# KiCad board GRAM-HITBOX.kicad_pcb
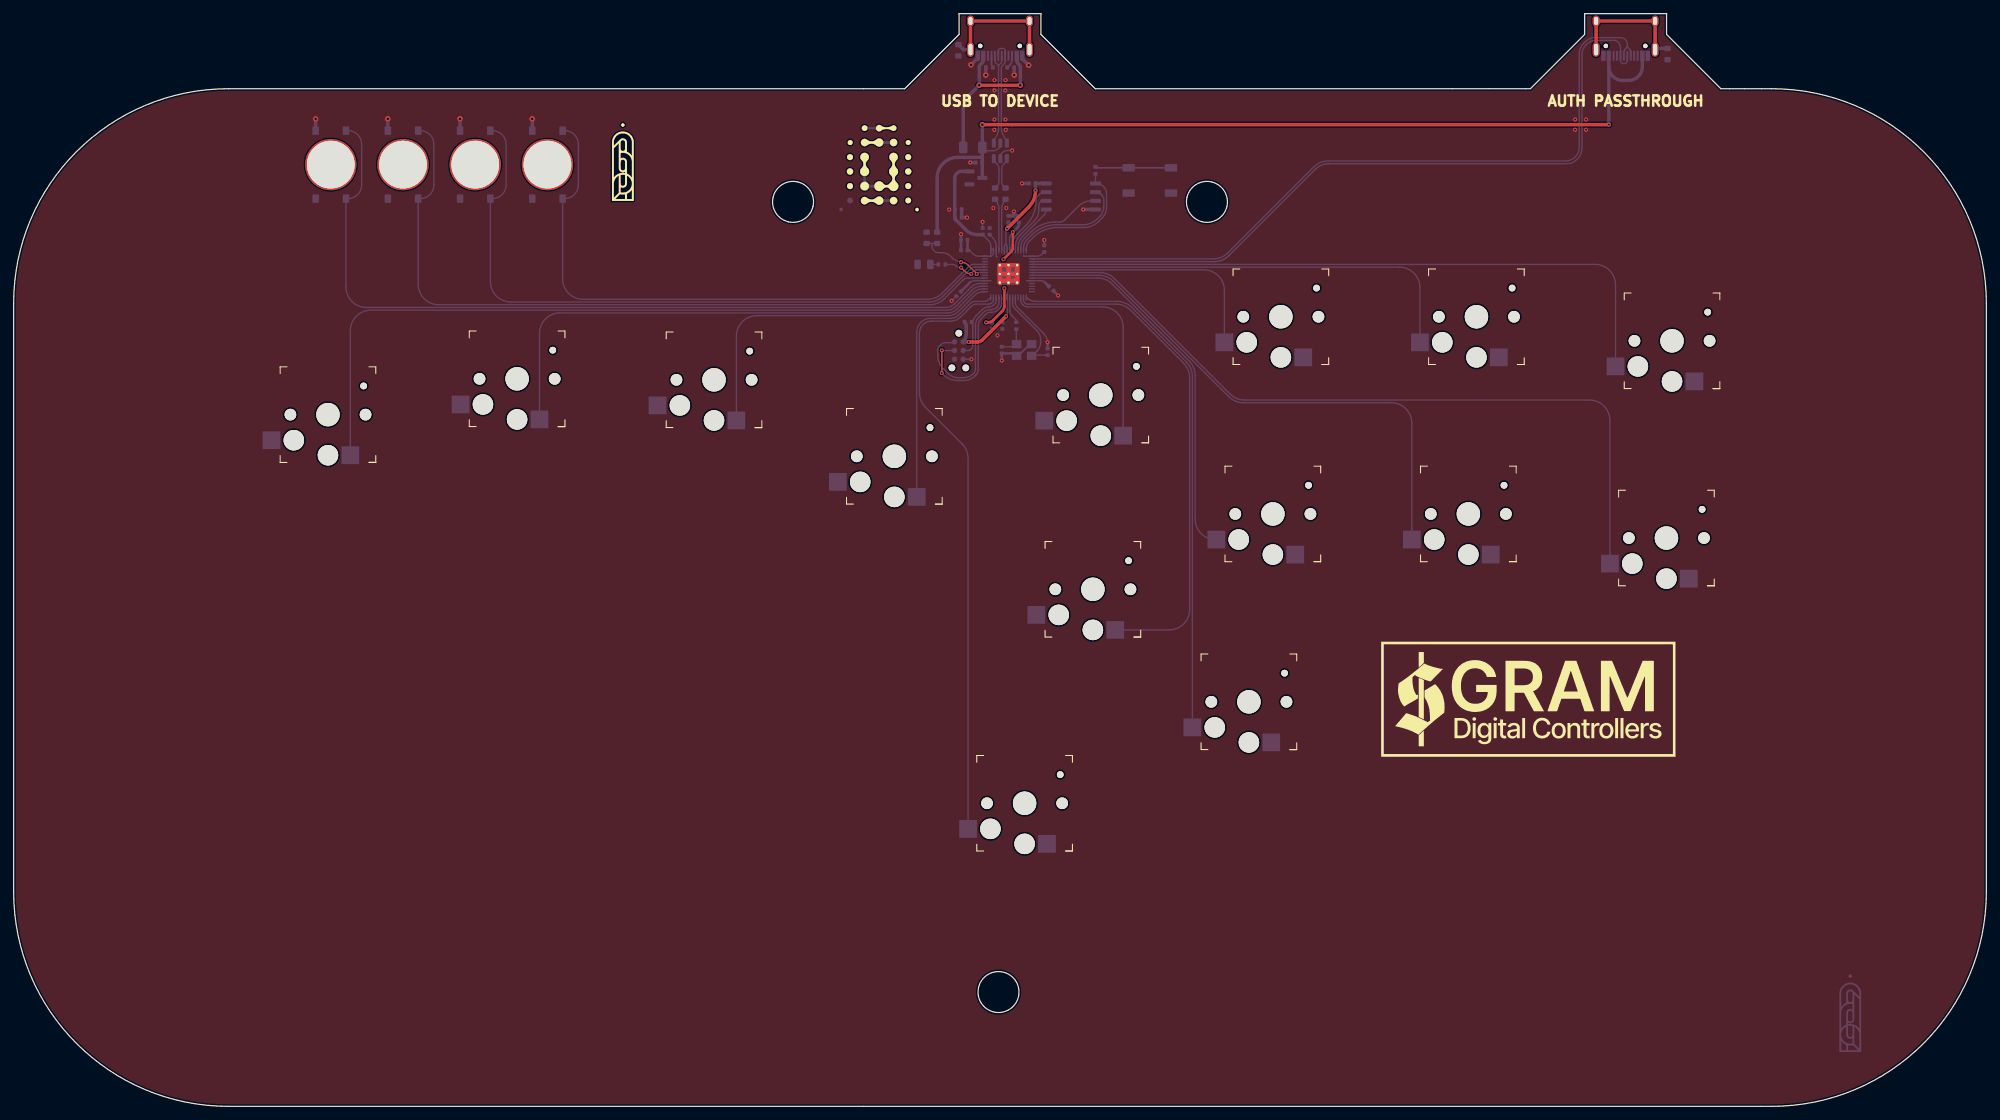
[diagram p0: board, top side]
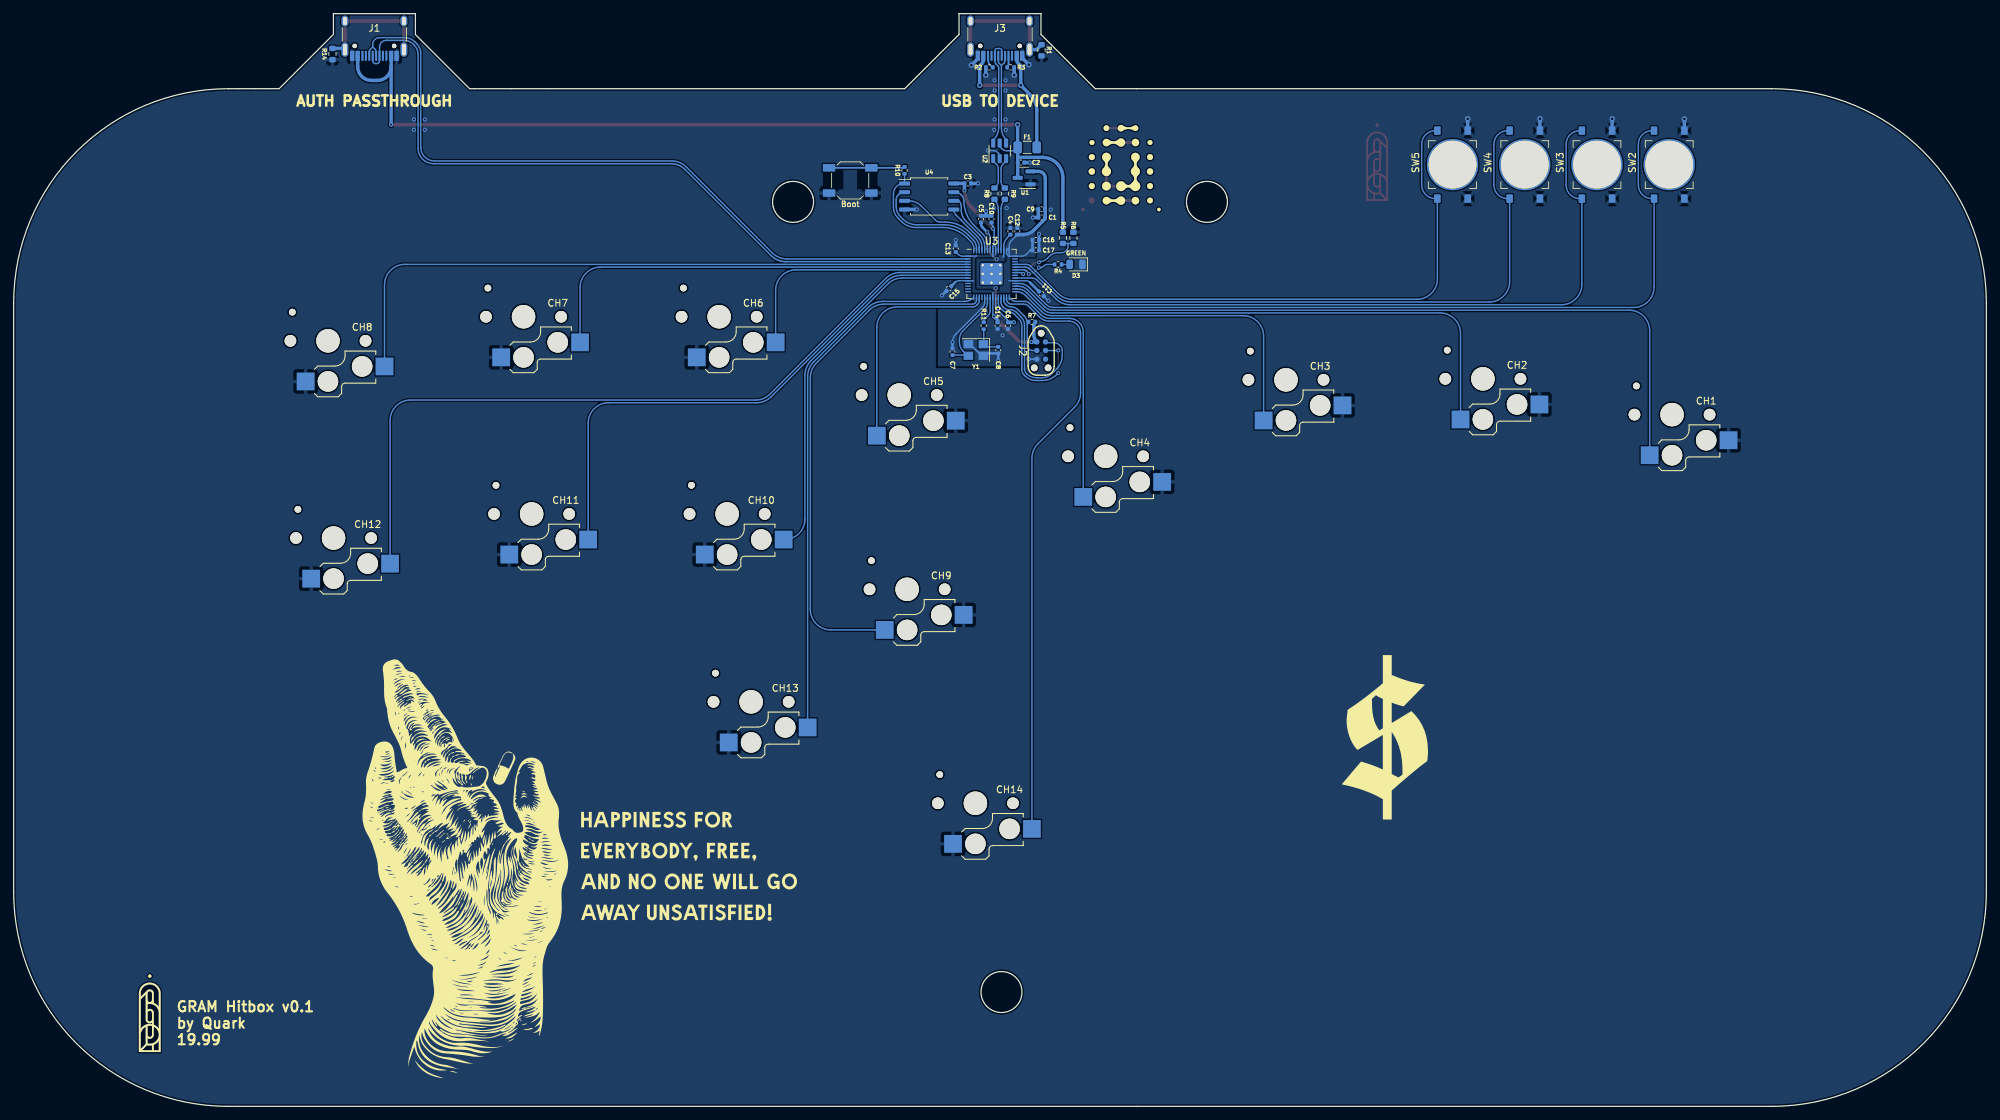
[diagram p1: board, bottom side, seen from below]

Outline 288.8 x 160.1 mm; copper layers: Top, Bottom. Coordinates in mm from the lower left corner of the outline.
Outline path: circle c144.18,16.75 r3 ; 0,117.66 0,31.44 ; 31.44,0 257.36,0 ; 31.44,149.1 130.45,149.1 138.4,157.05 138.4,160.1 150.4,160.1 150.4,157.05 158.34,149.1 222.04,149.1 229.99,157.05 229.99,160.1 241.99,160.1 241.99,157.05 249.93,149.1 257.36,149.1 ; 288.8,31.44 288.8,117.66

## Placement (name value [footprint] x y rotation side)
C1  1uF  [C_0402_1005Metric]  138.3 130.24 180 bottom
C2  1uF  [C_0402_1005Metric]  141.32 138.28 0 bottom
C3  100nF  [C_0402_1005Metric]  149.12 135.22 180 bottom
C4  1uF  [C_0402_1005Metric]  142.88 128.21 90 bottom
C5  100nF  [C_0402_1005Metric]  147.17 130 90 bottom
C6  100nF  [C_0402_1005Metric]  143.23 114.38 270 bottom
C7  22pF  [C_0402_1005Metric]  151.36 110.55 270 bottom
C8  22pF  [C_0402_1005Metric]  144.65 110.81 90 bottom
C9  10uF  [C_0402_1005Metric]  138.3 131.44 0 bottom
C10  1uF  [C_0402_1005Metric]  145.64 130 90 bottom
C11  100nF  [C_0402_1005Metric]  138.34 119.05 225 bottom
C12  100nF  [C_0402_1005Metric]  141.86 128.21 90 bottom
C13  100nF  [C_0402_1005Metric]  150.88 125.67 90 bottom
C14  100nF  [C_0402_1005Metric]  144.75 114.38 270 bottom
C15  100nF  [C_0402_1005Metric]  151.89 119.82 315 bottom
C16  100nF  [C_0402_1005Metric]  139.17 126.95 180 bottom
C17  100nF  [C_0402_1005Metric]  139.17 125.43 180 bottom
CH1  choc_SW_HS  [Kailh_socket_PG1350]  46.01 101.35 0 top
CH2  choc_SW_HS  [Kailh_socket_PG1350]  73.7 106.6 0 top
CH3  choc_SW_HS  [Kailh_socket_PG1350]  102.53 106.45 0 top
CH4  choc_SW_HS  [Kailh_socket_PG1350]  128.93 95.24 0 top
CH5  choc_SW_HS  [Kailh_socket_PG1350]  159.15 104.22 0 top
CH6  choc_SW_HS  [Kailh_socket_PG1350]  185.52 115.69 0 top
CH7  choc_SW_HS  [Kailh_socket_PG1350]  214.15 115.69 0 top
CH8  choc_SW_HS  [Kailh_socket_PG1350]  242.78 112.16 0 top
CH9  choc_SW_HS  [Kailh_socket_PG1350]  158 75.76 0 top
CH10  choc_SW_HS  [Kailh_socket_PG1350]  184.35 86.8 0 top
CH11  choc_SW_HS  [Kailh_socket_PG1350]  212.97 86.8 0 top
CH12  choc_SW_HS  [Kailh_socket_PG1350]  241.97 83.27 0 top
CH13  choc_SW_HS  [Kailh_socket_PG1350]  180.84 59.27 0 top
CH14  choc_SW_HS  [Kailh_socket_PG1350]  148 44.41 0 top
D3  GREEN  [LED_0805_2012Metric]  133.27 123.36 0 bottom
F1  500 mA  [Fuse_1206_3216Metric]  140.42 140.5 0 bottom
H1  19.99 logo  [1999 logo md]  88.97 138.4 0 top
H2  19.99 logo  [1999 logo md]  269.09 13.7 180 bottom
H3  qw-logo  [qw new logo silk + copper md]  127.25 137.47 0 top
H4  qw-logo  [qw new logo silk + copper md]  126.15 137.47 180 bottom
J1  USB_C_Receptacle_USB2.0  [USB_C_Receptacle_HRO_TYPE-C-31-M-12]  235.99 157.97 0 bottom
J2  JTAG_TC2030  [CON_TC2030_outlined]  138.37 110.74 270 bottom
J3  USB_C_Receptacle_USB2.0  [USB_C_Receptacle_HRO_TYPE-C-31-M-12]  144.4 157.97 0 bottom
R1  1M  [R_0603_1608Metric]  138.32 154.74 90 bottom
R2  5.1k  [R_0402_1005Metric]  145.96 152.23 180 bottom
R3  5.1k  [R_0402_1005Metric]  142.84 152.23 180 bottom
R4  10k  [R_0402_1005Metric]  135.89 123.35 180 bottom
R5  5.6k  [R_0603_1608Metric]  135.19 127.26 270 bottom
R6  10k  [R_0603_1608Metric]  133.65 127.26 90 bottom
R7  10k  [R_0402_1005Metric]  139.72 114.93 0 bottom
R8  27  [R_0603_1608Metric]  145.21 133.72 270 bottom
R9  27  [R_0603_1608Metric]  143.68 133.72 270 bottom
R10  1k  [R_0402_1005Metric]  158.37 137.14 270 bottom
R11  1k  [R_0402_1005Metric]  146.79 114.38 90 bottom
R14  1M  [R_0603_1608Metric]  242.13 154.18 90 bottom
SW1  Boot  [SW_SPST_SKQG_WithStem]  166.33 135.66 0 bottom
SW2  SW_Push  [RT3301AF260Q]  46.43 137.98 270 top
SW3  SW_Push  [RT3301AF260Q]  57 137.98 270 top
SW4  SW_Push  [RT3301AF260Q]  67.57 137.98 270 top
SW5  SW_Push  [RT3301AF260Q]  78.15 137.98 270 top
U1  XC6206  [SOT-23]  140.87 136.04 0 bottom
U2  USBLC6-2SC6  [SOT-23-6]  144.45 140 90 bottom
U3  RP2040  [RP2040-QFN-56]  145.64 121.97 180 bottom
U4  W25Q128JVS  [SOIC-8_5.23x5.23mm_P1.27mm]  154.77 133.31 180 bottom
Y1  12MHz  [Crystal_SMD_3225-4Pin_3.2x2.5mm]  147.93 110.82 0 bottom

## Library data of the parts
C1 C2 C4 C10 = -: Description: Unpolarized capacitor, small symbol; LCSC: C52923
C3 C5 C6 C11-C17 = -: Description: Unpolarized capacitor, small symbol; LCSC: C1525
C7 C8 = -: Description: Unpolarized capacitor, small symbol; LCSC: C1555
C9 = -: Description: Unpolarized capacitor, small symbol; LCSC: C15525
CH1-CH14 = -: Description: Push button switch, normally open, two pins, 45° tilted
D3 = -: Description: Light emitting diode, small symbol; LCSC: C2297
F1 = -: Description: Fuse, small symbol; LCSC: C70076
H1-H4 = -: Description: Mounting Hole without connection
J1 J3 = -: Description: USB 2.0-only Type-C Receptacle connector
J2 = -: Description: 6-pin TC2030 connector for JTAG programming
R1 R14 = -: Description: Resistor, small symbol; LCSC: C22935
R2-R4 R7 = -: Description: Resistor, small symbol; LCSC: C25744
R5 = -: Description: Resistor, small symbol; LCSC: C23189
R6 = -: Description: Resistor, small symbol; LCSC: C25804
R8 R9 = -: Description: Resistor, small symbol; LCSC: C25190
R10 R11 = -: Description: Resistor, small symbol; LCSC: C11702
SW1 = -: Description: Push button switch, generic, two pins; LCSC: C318884
SW2-SW5 = -: Description: Push button switch, generic, two pins
U1 = -: Description: Positive 60-250mA Low Dropout Regulator, Fixed Output, SOT-23; LCSC: C5446
U2 = -: Description: Very low capacitance ESD protection diode, 2 data-line, SOT-23-6; LCSC: C7519
U3 = -: LCSC: C2040
U4 = -: Description: 128Mb Serial Flash Memory, Standard/Dual/Quad SPI, SOIC-8; LCSC: C97521
Y1 = -: Description: Four pin crystal, GND on pins 2 and 4, small symbol; LCSC: C9002

## Footprints (pads in the part's own frame, mm; a bottom-side part is the same pattern mirrored in y, then rotated)
C_0402_1005Metric
  rrect 0.56x0.62 smd: 1(-0.48,0) 2(0.48,0)
CON_TC2030_outlined
  round 0.991 hole 0.991 unplated: (-2.54,0) (2.54,-1.016) (2.54,1.016)
  round 0.787 smd: 1(-1.27,-0.635) 2(-1.27,0.635) 3(0,-0.635) 4(0,0.635) 5(1.27,-0.635) 6(1.27,0.635)
Crystal_SMD_3225-4Pin_3.2x2.5mm
  rect 1.4x1.2 smd: 1(-1.1,-0.85) 2(1.1,-0.85) 3(1.1,0.85) 4(-1.1,0.85)
Fuse_1206_3216Metric
  rrect 1.25x1.75 smd: 1(-1.4,0) 2(1.4,0)
Kailh_socket_PG1350
  round 1.702 hole 1.702 unplated: (-5.5,0) (5.5,0)
  round 3 hole 3 unplated: (-5,-3.75) (0,-5.95)
  round 3.429 hole 3.429 unplated: (0,0)
  round 0.991 hole 0.991 unplated: (5.22,4.2)
  rect 2.6x2.6 smd far side: 1(3.275,-5.95) 2(-8.275,-3.75)
LED_0805_2012Metric
  rrect 0.975x1.4 smd: 1(-0.938,0) 2(0.938,0)
R_0402_1005Metric
  rrect 0.54x0.64 smd: 1(-0.51,0) 2(0.51,0)
R_0603_1608Metric
  rrect 0.8x0.95 smd: 1(-0.825,0) 2(0.825,0)
RP2040-QFN-56
  rrect 1.084x1.084 smd: (-0.637,-0.637) (-0.637,0.637) (0.637,-0.637) (0.637,0.637)
  rrect 0.875x0.2 smd: 1(-3.438,2.6) 2(-3.438,2.2) 3(-3.438,1.8) 4(-3.438,1.4) 5(-3.438,1) 6(-3.438,0.6) 7(-3.438,0.2) 8(-3.438,-0.2) 9(-3.438,-0.6) 10(-3.438,-1) 11(-3.438,-1.4) 12(-3.438,-1.8) 13(-3.438,-2.2) 14(-3.438,-2.6) 29(3.438,-2.6) 30(3.438,-2.2) 31(3.438,-1.8) 32(3.438,-1.4) 33(3.438,-1) 34(3.438,-0.6) 35(3.438,-0.2) 36(3.438,0.2) 37(3.438,0.6) 38(3.438,1) 39(3.438,1.4) 40(3.438,1.8) 41(3.438,2.2) 42(3.438,2.6)
  rrect 0.2x0.875 smd: 15(-2.6,-3.438) 16(-2.2,-3.438) 17(-1.8,-3.438) 18(-1.4,-3.438) 19(-1,-3.438) 20(-0.6,-3.438) 21(-0.2,-3.438) 22(0.2,-3.438) 23(0.6,-3.438) 24(1,-3.438) 25(1.4,-3.438) 26(1.8,-3.438) 27(2.2,-3.438) 28(2.6,-3.438) 43(2.6,3.438) 44(2.2,3.438) 45(1.8,3.438) 46(1.4,3.438) 47(1,3.438) 48(0.6,3.438) 49(0.2,3.438) 50(-0.2,3.438) 51(-0.6,3.438) 52(-1,3.438) 53(-1.4,3.438) 54(-1.8,3.438) 55(-2.2,3.438) 56(-2.6,3.438)
  round 0.6 hole 0.35: 57(-1.275,-1.275) 57(-1.275,0) 57(-1.275,1.275) 57(0,-1.275) 57(0,0) 57(0,1.275) 57(1.275,-1.275) 57(1.275,0) 57(1.275,1.275)
  rrect 3.2x3.2 smd: 57(0,0)
RT3301AF260Q
  round 7.5 hole 7 unplated: (0,0)
  rrect 1.243x0.962 smd far side: 1(-4.979,-2.219) 1(4.979,-2.219) 2(-4.979,2.219) 2(4.979,2.219)
SOIC-8_5.23x5.23mm_P1.27mm
  rrect 1.6x0.6 smd: 1(-3.6,1.905) 2(-3.6,0.635) 3(-3.6,-0.635) 4(-3.6,-1.905) 5(3.6,-1.905) 6(3.6,-0.635) 7(3.6,0.635) 8(3.6,1.905)
SOT-23
  rrect 1.475x0.6 smd: 1(-0.938,0.95) 2(-0.938,-0.95) 3(0.938,0)
SOT-23-6
  rrect 1.325x0.6 smd: 1(-1.137,0.95) 2(-1.137,0) 3(-1.137,-0.95) 4(1.137,-0.95) 5(1.137,0) 6(1.137,0.95)
SW_SPST_SKQG_WithStem
  rect 1.8x1.1 smd: 1(-3.1,1.85) 1(3.1,1.85) 2(-3.1,-1.85) 2(3.1,-1.85)
USB_C_Receptacle_HRO_TYPE-C-31-M-12
  round 0.65 hole 0.65 unplated: (-2.89,2.6) (2.89,2.6)
  rect 0.6x1.45 smd: A1(-3.25,4.045) A4(-2.45,4.045) A9(2.45,4.045) A12(3.25,4.045) B1(3.25,4.045) B4(2.45,4.045) B9(-2.45,4.045) B12(-3.25,4.045)
  rect 0.3x1.45 smd: A5(-1.25,4.045) A6(-0.25,4.045) A7(0.25,4.045) A8(1.25,4.045) B5(1.75,4.045) B6(0.75,4.045) B7(-0.75,4.045) B8(-1.75,4.045)
  oval 1x1.6 hole 0.6x1.2: S1(-4.32,-1.05) S1(4.32,-1.05)
  oval 1x2.1 hole 0.6x1.7: S1(-4.32,3.13) S1(4.32,3.13)

## Nets
+1V1: C4.1 C5.1 C6.1 U3.23 U3.45 U3.50
+3V3: C1.2 C3.1 C9.1 C10.1 C11.1 C12.1 C13.1 C14.1 C15.1 C16.1 C17.1 J2.1 R7.1 U1.2 U3.1 U3.10 U3.22 U3.33 U3.42 U3.43 U3.44 U3.48 U3.49 U4.8
+5V: C2.2 F1.2 J1.A4 J1.A9 J1.B4 J1.B9 R5.1 U1.3 U2.5
GND: C1.1 C2.1 C3.2 C4.2 C5.2 C6.2 C7.1 C8.1 C9.2 C10.2 C11.2 C12.2 C13.2 C14.2 C15.2 C16.2 C17.2 CH1.2 CH2.2 CH3.2 CH4.2 CH5.2 CH6.1 CH7.1 CH8.1 CH9.2 CH10.1 CH11.1 CH12.1 CH13.1 CH14.1 D3.1 J1.A1 J1.A12 J1.B1 J1.B12 J2.5 J3.A1 J3.A12 J3.B1 J3.B12 R1.1 R2.1 R3.2 R6.2 R14.1 SW1.1 SW2.1 SW3.1 SW4.1 SW5.1 U1.1 U2.2 U3.19 U3.57 U4.4 Y1.2 Y1.4
VBUS_SENSE: R5.2 R6.1 U3.36
1K: CH9.1 U3.16
1P: CH5.1 U3.17
2K: CH10.2 U3.9
2P: CH6.2 U3.6
3K: CH11.2 U3.8
3P: CH7.2 U3.5
4K: CH12.2 U3.7
4P: CH8.2 U3.4
/D_+: R8.2 U3.47
/D_-: R9.2 U3.46
/XTAL_O: C8.2 R11.1 Y1.1
/~{USB_BOOT}: R10.1 SW1.2
CAPTURE: SW5.2 U3.39
CS: R10.2 U3.56 U4.1
D+: R8.1 U2.1
D-: R9.1 U2.3
DBUS+: J3.A6 J3.B6 U2.6
DBUS-: J3.A7 J3.B7 U2.4
DOWN: CH3.1 U3.29
HOME: SW4.2 U3.38
L3: CH1.1 U3.31
LEFT: CH2.1 U3.30
PICO_LED: R4.1 U3.37
PT+: J1.A6 J1.B6 U3.2
PT-: J1.A7 J1.B7 U3.3
QSPI_CLK: U3.52 U4.6
R3: CH13.2 U3.15
RIGHT: CH4.1 U3.28
SD0: U3.53 U4.5
SD1: U3.55 U4.2
SD2: U3.54 U4.3
SD3: U3.51 U4.7
SELECT: SW3.2 U3.34
START: SW2.2 U3.32
SWCLK: J2.4 U3.24
SWD: J2.2 U3.25
UP: CH14.2 U3.27
XTAL_IN: C7.2 U3.20 Y1.3
XTAL_OUT: R11.2 U3.21
~{RESET}: J2.3 R7.2 U3.26
Net-(D3-A): D3.2 R4.2
Net-(F1-Pad1): F1.1 J3.A4 J3.A9 J3.B4 J3.B9
Net-(J1-SHIELD): J1.S1 R14.2
Net-(J3-CC1): J3.A5 R3.1
Net-(J3-CC2): J3.B5 R2.2
Net-(J3-SHIELD): J3.S1 R1.2

Pads without a net: J1 A5 A8 B5 B8; J2 6; J3 A8 B8; U3 11 12 13 14 18 35 40 41

## Via types
v1: diameter 0.6, hole 0.3, Top to Bottom, 43 vias
v2: diameter 0.8, hole 0.4, Top to Bottom, 11 vias
v3: diameter 0.6, hole 0.35, Top to Bottom, 2 vias

## Routing (per net, layer and track width the routed paths; a pad name or vN(x,y) marks a point on that pad's centre or on a via; arc(x,y) is an arc through that point)
+1V1: length 24.2
  Top w0.381: v1(142.37,114.87) 142.67,114.87 arc(143.06,114.95) 143.38,115.16 144.74,116.53 arc(144.96,116.85) 145.04,117.24 v3(145.04,119.87) ; v3(144.91,124.11) 145.98,125.18 arc(146.2,125.51) 146.28,125.89 v1(146.28,128.1)
  Bottom w0.2: C4.1 143.33,127.27 arc(143.71,126.71) 143.84,126.04 U3.45 143.84,124.56 143.99,124.41 ; U3.23 145.04,117.38 arc(144.97,117) 144.75,116.67 143.41,115.33 arc(143.28,115.14) 143.23,114.91 C6.1 ; U3.50 145.84,127.25 arc(145.92,127.63) 146.14,127.95 v1(146.28,128.1)
  Bottom w0.381: v1(146.28,128.1) 147,128.81 arc(147.12,129) 147.17,129.23
  Bottom w0.5: v1(142.37,114.87) 142.38,114.86 C6.1
+3V3: length 67.8
  Top w0.5: v1(139.81,111.99) 141.11,111.99 arc(141.49,112.07) 141.81,112.29 v1(145.29,115.76) ; v1(145.42,128.59) 148.6,131.77 arc(149.34,132.88) v1(149.6,134.19)
  Bottom w0.2: 147.83,124.65 147.91,124.57 U3.1 149.84,124.57 arc(150.23,124.64) 150.55,124.86 C13.1 ; 143.08,120.97 U3.33 140.62,120.97 arc(140.28,120.9) 140,120.71 ; C12.1 142.75,126.84 arc(142.97,126.51) 143.04,126.13 U3.43 143.04,124.61 142.98,124.54 ; 145.04,124.81 U3.48 145.04,125.93 arc(145.07,126.09) 145.16,126.22 145.26,126.32 ; 145.26,126.32 145.26,126.32 145.26,128.44 v1(145.42,128.59) 145.42,129 145.64,129.23 ; 145.26,126.32 145.33,126.25 arc(145.41,126.12) 145.44,125.97 U3.49 145.44,124.55 145.42,124.52 ; 139.94,125.43 140.51,124.86 arc(140.83,124.64) 141.22,124.57 U3.42 143.07,124.57 143.1,124.54 143.44,124.88 U3.44 143.04,125.81 ; 145.44,119.26 U3.22 145.44,115.91 v1(145.29,115.76) ; 148.31,120.98 148.33,120.97 U3.10 150.44,120.97 arc(150.7,120.92) 150.92,120.77
  Bottom w0.381: 150.92,120.77 151.51,120.18 ; 140,120.71 C11.1 ; 139.94,125.43 C17.1 C16.1
  Bottom w0.5: C12.1 141.03,127.73 arc(140.17,127.9) 139.44,128.39 137.82,130 C1.2 137.77,130.29 137.77,135.99 arc(138.07,136.7) 138.77,136.99 U1.2 ; v1(149.6,134.19) C3.1 151.15,135.22 ; C14.1 144.75,115.22 v1(145.29,115.76) ; v1(139.81,111.99) 139.03,111.99 ; J2.1 arc(139.34,112.52) 139.46,113.11 139.46,114.33 arc(139.4,114.66) R7.1
+5V: length 138.1
  Top w0.5: v2(141.82,143.84) v1(233.54,143.84)
  Bottom w0.2: U2.5 144.45,140.62 144.14,140.31 arc(143.82,140.09) 143.43,140.02 142.3,140.02 F1.2
  Bottom w0.5: U1.3 141.8,136.05 C2.2 141.8,140.48 F1.2 v2(141.82,143.84) ; J1.A4 233.54,152.32 ; 233.54,152.32 233.54,143.84 v1(233.54,143.84) ; 233.54,152.32 arc(234.12,150.9) 235.54,150.32 236.44,150.32 arc(237.85,150.9) 238.44,152.32 J1.A9 ; R5.1 135.19,136.04 arc(136.07,138.16) 138.19,139.04 141.71,139.04
GND: length 60.2
  Top w0.635: U3.57 U3.57 ; U3.57 U3.57 ; U3.57 U3.57 U3.57 U3.57 146.62,120.99 144.67,120.99 U3.57
  Bottom w0.2: C12.2 v1(141.86,129.6) ; v1(137.32,118.03) C11.2 ; v1(146.17,140.04) 145.45,140.04 arc(145.06,139.97) 144.74,139.75 144.45,139.46 U2.2 ; U3.19 146.64,117.81 arc(146.72,117.41) 146.95,117.07 150.86,113.16 arc(151.23,112.6) v1(151.36,111.95)
  Bottom w0.25: J2.5 v1(140.21,109.47)
  Bottom w0.254: 147.08,109.97 148.78,111.67
  Bottom w0.381: v1(144.65,109.28) C8.1 146.47,110.33 ; C13.2 v1(150.88,126.94) ; v1(138.69,127.79) C16.2 C17.2 ; v1(151.36,111.95) C7.1 ; C15.2 v1(152.91,118.81)
  Bottom w0.5: 146.45,130.48 146.45,131.11 v1(146.43,131.13) ; 146.45,130.48 C5.2 ; 146.45,130.48 C10.2 ; v2(148.59,152.55) 147.65,153.49 J3.A12 ; v2(146.48,151.11) 146.47,151.12 R2.1 ; v2(54.77,144.69) 54.78,144.68 SW3.1 ; SW2.1 v2(44.21,144.67) ; v1(140.05,138.29) 140.06,138.28 C2.1 ; R3.2 142.33,151.11 v2(142.32,151.11) ; SW5.1 v2(75.93,144.69) ; J3.A1 141.15,153.6 v2(140.17,152.63) ; v2(65.34,144.7) 65.35,144.68 SW4.1 ; C3.2 147.63,135.22 ; v1(139.57,130.23) 139.56,130.24 C1.1 C9.2 ; 158.34,131.41 156.61,131.41
  vias: v1(136.96,131.39) v1(143.42,131.62) v1(143.59,150.35) v1(143.59,148.86) v1(143.59,144.59) v1(143.56,143.08) v1(144.02,112.97) v1(145.19,150.35) v1(145.19,148.86) v1(145.19,144.59) v1(145.25,143.08) v1(145.32,131.62) v1(147.62,135.23) v1(156.6,131.4) v1(228.6,144.59) v1(228.6,143.09) v1(230.2,144.59) v1(230.2,143.09)
VBUS_SENSE: length 11.3
  Top w0.2: v1(141,121.97) 141,122 139.74,123.25 arc(139.26,123.57) 138.7,123.68
  Bottom w0.2: R6.1 134.43,126.43 ; 134.43,126.43 134.43,126.07 arc(134.73,125.37) 135.43,125.07 135.9,125.07 arc(136.59,124.94) 137.17,124.55 137.42,124.3 arc(138,123.9) 138.69,123.77 ; 134.43,126.43 R5.2 ; U3.36 141.48,122.17 arc(141.22,122.12) v1(141,121.97)
  vias: v1(138.7,123.68)
1K: length 76.5
  Bottom w0.2: CH9.1 169.16,69.81 arc(171.28,70.69) 172.16,72.81 172.16,106.77 arc(171.93,107.92) 171.28,108.89 163.52,116.66 arc(162.54,117.31) 161.39,117.54 148.42,117.54 arc(148.23,117.58) 148.06,117.69 ; U3.16 147.84,118.09 arc(147.88,117.92) 147.98,117.77 148.02,117.73
1P: length 33.5
  Bottom w0.2: CH5.1 162.43,114.14 arc(161.55,116.26) 159.43,117.14 148.38,117.14 arc(148.07,117.2) 147.81,117.37 147.66,117.53 arc(147.5,117.77) 147.44,118.05 U3.17
2K: length 56.1
  Bottom w0.2: CH10.2 175.96,83.05 arc(173.84,83.93) 172.96,86.05 172.96,107.1 arc(172.73,108.25) 172.08,109.22 160.82,120.49 arc(159.85,121.14) 158.7,121.37 U3.9
2P: length 37.5
  Bottom w0.2: U3.6 174.24,122.57 arc(176.37,121.69) 177.24,119.57 CH6.2
3K: length 81.8
  Bottom w0.2: U3.8 158.86,121.77 arc(160.01,121.54) 160.98,120.89 177.91,103.97 arc(178.88,103.32) 180.03,103.09 201.69,103.09 arc(203.81,102.21) 204.69,100.09 CH11.2
3P: length 66.5
  Bottom w0.2: CH7.2 205.88,119.97 arc(205,122.09) 202.88,122.97 U3.5
4K: length 114.8
  Bottom w0.2: CH12.2 233.69,100.49 arc(232.81,102.61) 230.69,103.49 180.19,103.49 arc(179.04,103.72) 178.07,104.37 161.15,121.29 arc(160.18,121.94) 159.03,122.17 U3.7
4P: length 99.1
  Bottom w0.2: CH8.2 234.51,120.37 arc(233.63,122.49) 231.51,123.37 U3.4
/D_+: length 7.7
  Bottom w0.2: 145.19,132.95 145.19,132.76 145.17,132.74 arc(144.78,132.15) 144.64,131.47 U3.47
/D_-: length 7.5
  Bottom w0.2: U3.46 144.24,131.51 arc(144.11,132.2) 143.72,132.78
/XTAL_O: length 3.9
  Bottom w0.2: 146.79,111.72 R11.1 ; C8.2 146.44,111.29
/~{USB_BOOT}: length 11.1
  Bottom w0.25: R10.1 158.51,137.51 SW1.2 SW1.2
CAPTURE: length 90.1
  Bottom w0.2: SW5.2 80.67,142.96 arc(82.08,142.37) 82.67,140.96 82.67,135 arc(82.08,133.59) 80.67,133 SW5.2 80.36,121.25 arc(81.24,119.13) 83.36,118.25 133.79,118.25 arc(134.94,118.48) 135.91,119.13 139.86,123.07 arc(140.18,123.29) 140.57,123.37 U3.39
CS: length 20.8
  Bottom w0.2: R10.2 U4.1 158.48,135.22 arc(159.56,134.77) 160,133.69 160,131.69 arc(159.84,130.89) 159.39,130.22 158.82,129.65 arc(157.85,129) 156.7,128.77 156.15,128.77 153.16,128.77 152.78,128.77 arc(150.87,128.39) 149.24,127.3 148.68,126.74 arc(148.36,126.26) 148.24,125.68 U3.56
D+: length 4.8
  Bottom w0.2: R8.1 144.94,134.82 arc(144.72,135.14) 144.65,135.53 144.65,137.35 arc(144.72,137.73) 144.94,138.06 145.4,138.51 U2.1
D-: length 4.9
  Bottom w0.2: U2.3 143.5,138.51 143.95,138.05 arc(144.17,137.73) 144.25,137.35 144.25,135.53 arc(144.17,135.14) 143.95,134.82 R9.1 143.81,134.55
DBUS+: length 16.1
  Bottom w0.2: U2.6 145.4,141.53 arc(144.8,142.42) 144.59,143.48 144.59,152.13 arc(144.63,152.32) 144.74,152.48 145,152.75 arc(145.11,152.91) 145.15,153.1 J3.B6 145.15,154.7 arc(145.06,154.91) 144.85,155 144.45,155 arc(144.24,154.91) 144.15,154.7 J3.A6
DBUS-: length 15.1
  Bottom w0.2: J3.B7 143.65,153.25 arc(143.69,153.06) 143.8,152.89 144.19,152.5 ; J3.A7 144.65,153.17 arc(144.61,152.98) 144.5,152.81 144.19,152.5 ; 144.19,152.5 144.19,143.32 arc(144.01,142.42) 143.5,141.65 U2.4 143.5,141.49
DOWN: length 51.7
  Bottom w0.2: U3.29 142.01,119.37 arc(141.28,119.22) 140.66,118.81 138.31,116.46 arc(137.63,116.01) 136.83,115.85 108.81,115.85 arc(106.69,114.97) 105.81,112.85 CH3.1
HOME: length 101.1
  Bottom w0.2: U3.38 140.73,122.97 arc(140.35,122.89) 140.02,122.67 136.08,118.73 arc(135.11,118.08) 133.96,117.85 72.79,117.85 arc(70.67,118.73) 69.79,120.85 SW4.2 70.09,133 arc(71.51,133.59) 72.09,135 72.09,140.96 arc(71.51,142.37) 70.09,142.96 SW4.2
L3: length 114.2
  Bottom w0.2: CH1.1 49.29,113.65 arc(50.17,115.77) 52.29,116.65 136.6,116.65 arc(137.31,116.79) 137.91,117.19 140.3,119.58 arc(140.95,120.02) 141.71,120.17 U3.31
LEFT: length 80.8
  Bottom w0.2: U3.30 141.83,119.77 arc(141.11,119.62) 140.5,119.22 138.09,116.81 arc(137.47,116.4) 136.75,116.25 79.98,116.25 arc(77.86,115.37) 76.98,113.25 CH2.1
PICO_LED: length 6.5
  Top w0.2: v1(138.7,122.88) 138.7,122.88 139.3,122.29 arc(139.71,122.05) v1(140.18,121.97)
  Bottom w0.2: 140.18,121.98 140.18,122.06 140.55,122.43 arc(140.7,122.53) 140.89,122.57 U3.37 ; v1(138.7,122.88) 138.7,122.89 138.38,122.89 arc(138.2,122.95) 138.04,123.06 137.92,123.18 arc(137.73,123.31) 137.5,123.35 R4.1
PT+: length 112.9
  Bottom w0.2: 236.24,155.23 235.85,154.84 arc(235.77,154.71) 235.74,154.56 J1.A6 ; 236.24,155.23 236.62,154.85 arc(236.71,154.72) 236.74,154.56 J1.B6 ; 236.24,155.23 236.24,155.59 arc(235.94,156.3) 235.24,156.59 231.51,156.59 arc(230.74,156.44) 230.09,156 229.78,155.69 arc(229.35,155.05) 229.2,154.28 229.2,140.52 arc(228.61,139.1) 227.2,138.52 192.44,138.52 arc(191.3,138.29) 190.32,137.64 177.73,125.05 arc(176.76,124.4) 175.61,124.17 U3.2
PT-: length 112.8
  Bottom w0.2: U3.3 175.77,123.77 175.94,123.77 176.28,123.81 176.6,123.88 176.92,123.99 177.23,124.14 177.51,124.32 177.77,124.53 177.89,124.65 190.49,137.24 190.61,137.36 190.87,137.57 191.16,137.75 191.46,137.89 191.78,138 192.11,138.08 192.44,138.12 192.61,138.12 227.33,138.12 arc(228.93,138.78) 229.6,140.38 229.6,154.11 arc(229.75,154.88) 230.18,155.53 230.26,155.6 arc(230.91,156.04) 231.67,156.19 234.24,156.19 arc(234.94,155.9) 235.24,155.19 J1.B7 235.24,153.19 arc(235.35,152.91) 235.64,152.79 235.84,152.79 arc(236.12,152.91) 236.24,153.19 J1.A7
QSPI_CLK: length 9.3
  Bottom w0.2: U3.52 146.64,125.97 arc(146.82,126.89) 147.34,127.66 149.41,129.73 arc(149.9,130.46) 150.07,131.33 150.07,131.84 arc(150.16,132.3) 150.42,132.68 U4.6
R3: length 80.9
  Bottom w0.2: CH13.2 172.56,106.94 arc(172.33,108.08) 171.68,109.06 163.68,117.06 arc(162.71,117.71) 161.56,117.94 149.67,117.94 149.54,117.94 149.28,117.98 149.02,118.04 148.78,118.14 148.55,118.28 148.34,118.44 U3.15
RIGHT: length 37.2
  Bottom w0.2: U3.28 142.74,118.23 arc(142.42,118.01) 142.04,117.94 140.77,117.94 arc(140.39,117.86) 140.06,117.65 138.37,115.96 arc(137.81,115.58) 137.15,115.45 134.21,115.45 arc(132.79,114.86) 132.21,113.45 CH4.1
SD0: length 7.6
  Bottom w0.2: U3.53 147.04,125.88 arc(147.21,126.73) 147.69,127.45 150.12,129.88 150.12,129.88 150.83,130.59 arc(151.08,130.96) U4.5
SD1: length 17.9
  Bottom w0.2: U3.55 147.84,125.8 arc(147.97,126.42) 148.32,126.94 149.08,127.7 arc(150.7,128.79) 152.61,129.17 156.53,129.17 arc(157.68,129.4) 158.66,130.05 159,130.39 arc(159.45,131.06) 159.6,131.84 159.6,132.82 arc(159.53,133.2) 159.31,133.53 159.18,133.65 arc(158.86,133.87) 158.47,133.95 U4.2
SD2: length 14.2
  Bottom w0.2: U4.3 157.74,132.68 arc(156.76,132.48) 155.93,131.93 153.86,129.86 arc(153.54,129.64) 153.15,129.57 152.45,129.57 arc(150.53,129.19) 148.91,128.1 147.99,127.18 arc(147.59,126.57) 147.44,125.86 U3.54
SD3: length 10.6
  Bottom w0.2: U4.7 150.97,133.95 arc(150.52,133.86) 150.13,133.6 150.04,133.51 arc(149.77,133.1) 149.67,132.63 arc(149.29,130.72) 148.21,129.09 146.84,127.73 arc(146.4,127.06) 146.24,126.28 U3.51
SELECT: length 111.5
  Bottom w0.2: U3.34 139.7,121.37 arc(139.31,121.29) 138.99,121.07 136.24,118.33 arc(135.27,117.68) 134.12,117.45 62.22,117.45 arc(60.1,118.33) 59.22,120.45 SW3.2 59.52,133 arc(60.93,133.59) 61.52,135 61.52,140.96 arc(60.93,142.37) 59.52,142.96 SW3.2
START: length 122.4
  Bottom w0.2: SW2.2 48.95,142.96 arc(50.36,142.37) 50.95,140.96 50.95,135 arc(50.36,133.59) 48.95,133 SW2.2 48.65,120.05 arc(49.52,117.93) 51.65,117.05 136.53,117.05 arc(137.15,117.17) 137.68,117.53 140.13,119.98 arc(140.78,120.42) 141.55,120.57 U3.32
SWCLK: length 24.1
  Top w0.2: v1(135.88,107.44) 135.88,107.44 v1(135.88,110.77)
  Bottom w0.2: J2.4 135.91,110.74 v1(135.88,110.77) ; v1(135.88,107.44) 136.09,107.23 arc(137.06,106.58) 138.21,106.35 139.15,106.35 arc(140,106.52) 140.72,107 140.88,107.17 arc(141.12,107.53) 141.21,107.95 141.21,114.33 arc(141.33,114.93) 141.67,115.44 142.25,116.02 arc(142.6,116.26) 143.02,116.34 143.15,116.34 arc(143.71,116.45) 144.18,116.77 144.35,116.94 arc(144.57,117.26) 144.64,117.64 U3.24
SWD: length 24.2
  Bottom w0.2: 137.76,111.88 136.43,111.88 arc(136.04,111.81) 135.72,111.59 135.53,111.4 arc(135.35,111.13) 135.28,110.8 135.28,110.03 arc(135.49,108.97) 136.1,108.07 136.78,107.39 arc(137.48,106.92) 138.31,106.75 139.06,106.75 arc(139.84,106.91) 140.5,107.35 140.52,107.37 arc(140.73,107.69) 140.81,108.07 140.81,114.44 arc(140.94,115.09) 141.31,115.65 141.98,116.32 arc(142.45,116.63) 143,116.74 143.12,116.74 arc(143.55,116.83) 143.92,117.07 143.95,117.1 arc(144.17,117.43) 144.24,117.81 U3.25
UP: length 88.8
  Bottom w0.2: CH14.2 139.72,94.95 arc(139.5,96.1) 138.85,97.07 133.49,102.43 arc(132.84,103.4) 132.61,104.55 132.61,113.31 arc(133.12,114.54) 134.35,115.05 134.35,115.05 137.17,115.05 arc(137.96,115.21) 138.63,115.65 140.23,117.25 arc(140.55,117.46) 140.93,117.54 142.72,117.54 arc(142.96,117.59) 143.17,117.73 143.34,117.9 arc(143.42,118.01) 143.44,118.14 U3.27
XTAL_IN: length 12.8
  Bottom w0.2: 149.11,109.97 149.83,110.69 arc(150.21,111.26) 150.34,111.93 150.34,112.41 arc(150.21,113.06) 149.84,113.61 146.54,116.91 arc(146.32,117.24) 146.24,117.62 U3.20 ; C7.2 149.13,110.07
XTAL_OUT: length 4
  Bottom w0.2: U3.21 145.84,116.56 arc(145.92,116.18) 146.14,115.85 146.7,115.29 arc(146.76,115.2) 146.79,115.08 R11.2
~{RESET}: length 10.7
  Bottom w0.2: U3.26 143.84,118.09 arc(143.79,117.83) 143.64,117.61 143.44,117.41 arc(143.15,117.21) 142.79,117.14 arc(142.24,117.03) 141.76,116.71 140.89,115.84 arc(140.53,115.31) 140.41,114.68 140.41,111.43 arc(140.36,111.2) 140.23,111.01 140.15,110.92 arc(139.95,110.79) 139.72,110.74 J2.3
Net-(D3-A): length 1.2
  Bottom w0.2: D3.2 134.21,123.35 R4.2
Net-(F1-Pad1): length 25
  Top w0.5: v2(141.36,149.61) v2(147.38,149.61)
  Bottom w0.5: J3.A4 141.95,153.26 arc(141.91,153.07) 141.8,152.91 141.51,152.61 arc(141.4,152.45) 141.36,152.26 v2(141.36,149.61) 139.85,148.09 ; F1.1 139.02,145.97 arc(139.25,147.11) 139.9,148.09 ; v2(147.38,149.61) 147.38,152.26 arc(147.34,152.45) 147.23,152.61 147,152.85 arc(146.89,153.01) 146.85,153.2 J3.A9
Net-(J1-SHIELD): length 18.9
  Top w0.5: J1.S1 J1.S1 J1.S1 J1.S1
  Bottom w0.5: R14.2 240.48,155.01 J1.S1
Net-(J3-CC1): length 1.8
  Bottom w0.25: J3.A5 143.15,152.71 arc(143.2,152.45) R3.1
Net-(J3-CC2): length 1.7
  Bottom w0.25: J3.B5 146.15,153.39 arc(146.05,152.91) 145.78,152.51 145.65,152.37
Net-(J3-SHIELD): length 19.1
  Top w0.5: J3.S1 J3.S1 J3.S1 J3.S1
  Bottom w0.5: R1.2 139.04,154.84 J3.S1

## Copper pours and planes (outline as drawn; the poured copper is in the pictures)
+1V1 on Bottom: 143.65,123.81 147.25,123.81 147.25,120.41 144.65,120.41 144.65,119.61 145.45,119.61 145.45,119.81 147.85,119.81 147.85,124.21 145.05,124.21 145.05,124.41 144.65,124.41 144.65,124.81 143.65,124.81
+3V3 on Bottom: 139.23,128.06 139.19,124.4 142.88,124.4 142.85,119.21 148.45,119.21 148.45,124.81 145.65,124.81 144.98,124.92 142.11,128.08
GND on Top, Bottom: -12.61,171.55 308.95,171.55 308.95,-4.21 302.79,-10.37 -2.04,-10.37 -13.49,1.08 -13.49,170.67
GND on Top, Bottom: 159.08,127.39 129.88,127.39 129.88,107.13 159.08,107.13

## Text on the board
B.Fab: RP2040 | 100nF
B.Silkscreen: GRAM Hitbox v0.1 / by Quark / 19.99 | USB TO DEVICE | AUTH PASSTHROUGH
F.Silkscreen: USB TO DEVICE | AUTH PASSTHROUGH
